# Altium PCB K210_Board.PcbDoc (part 1 of 2)
Units mm, origin at the board's own origin, x right, y up, seen from the top; angles counter-clockwise.
Board outline 47.14 x 33.2 mm, 4 copper layers (Top Layer, GND, PWR, Bottom Layer), stack 1.369 mm thick; 95 components, 107 nets, 519 pads, 220 vias.
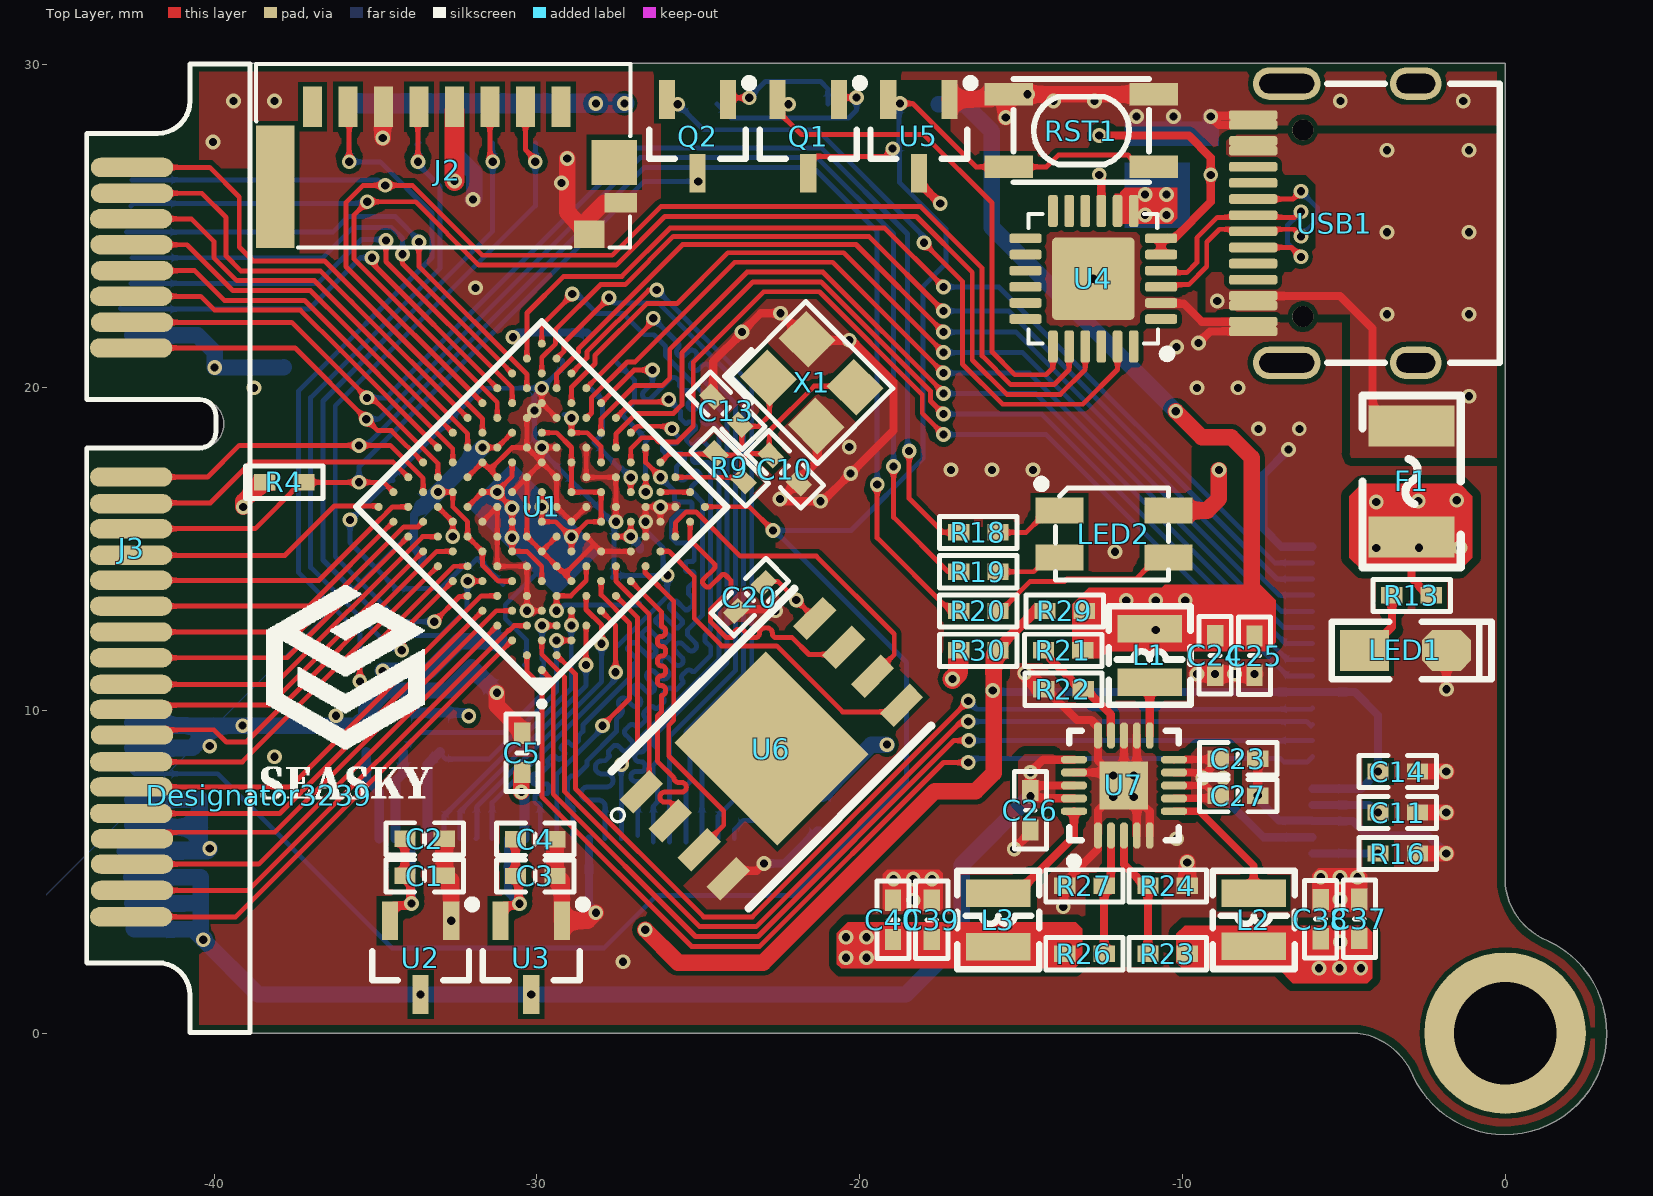
[diagram p0: Top Layer view]
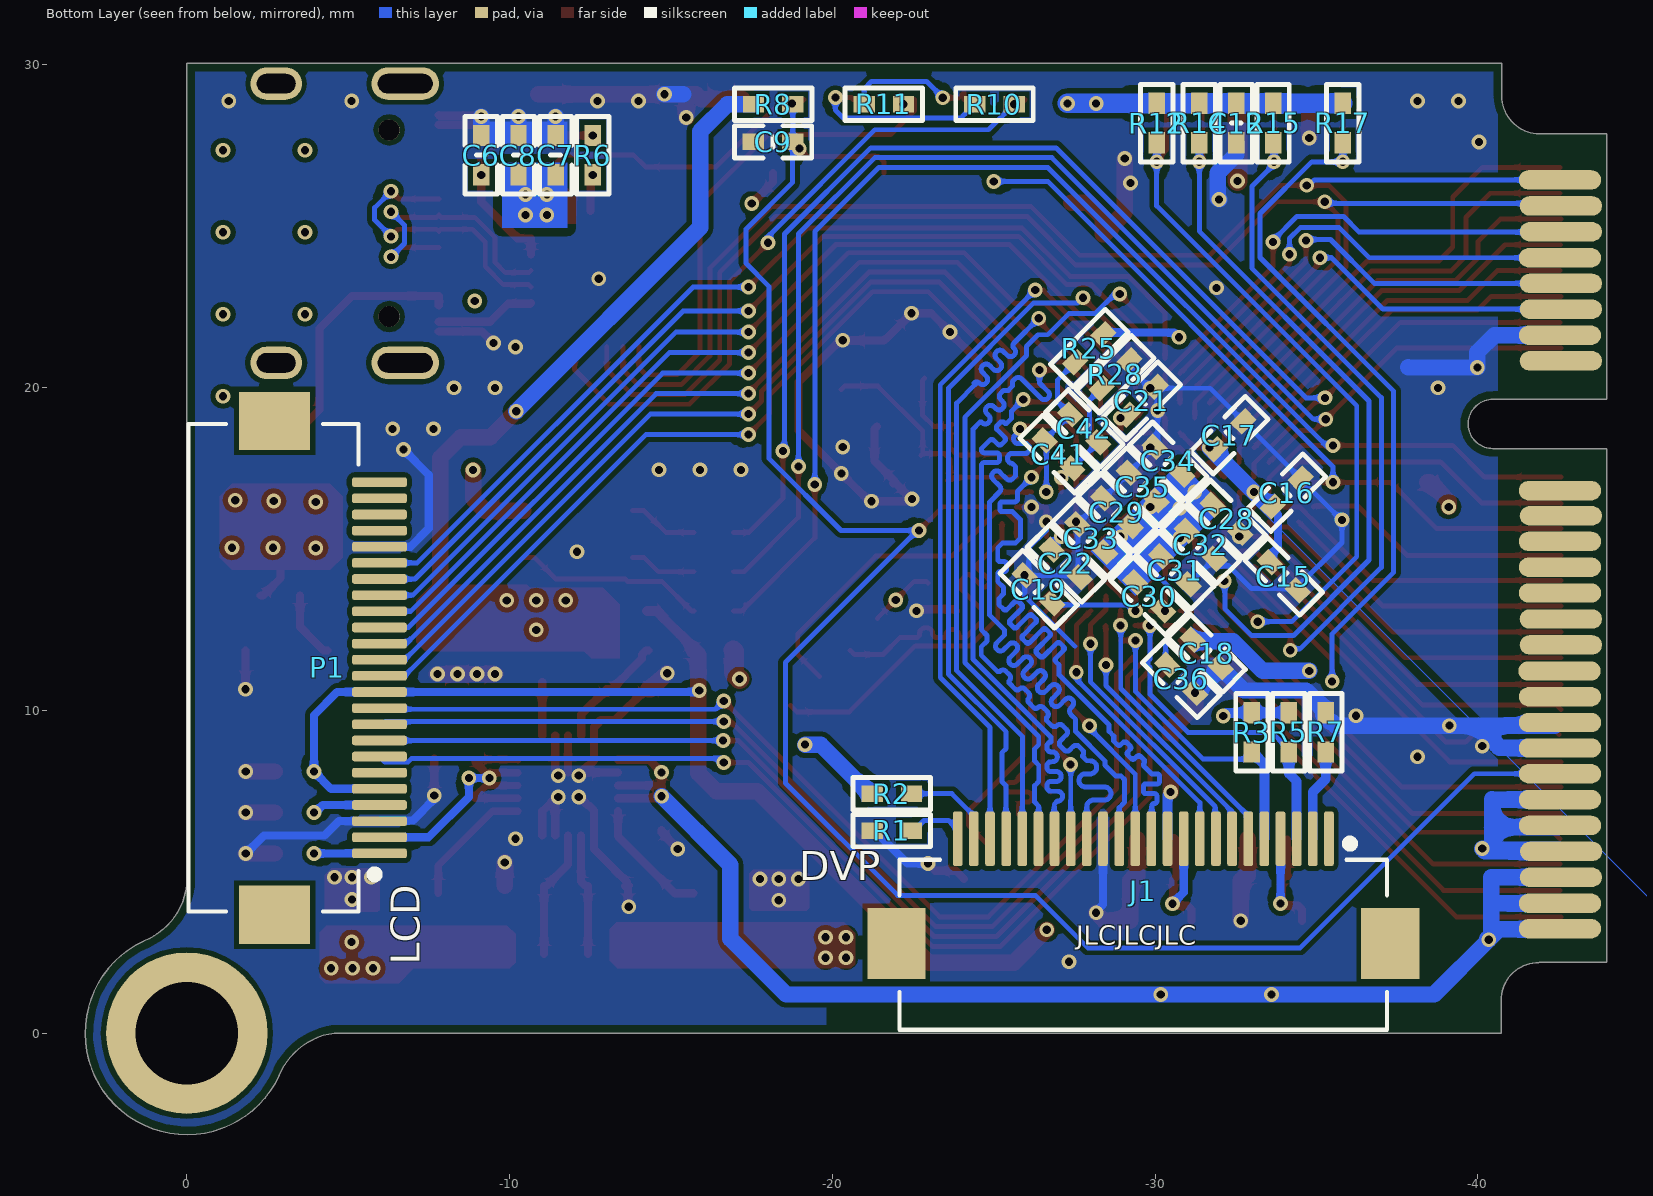
[diagram p1: Bottom Layer view, seen from below]
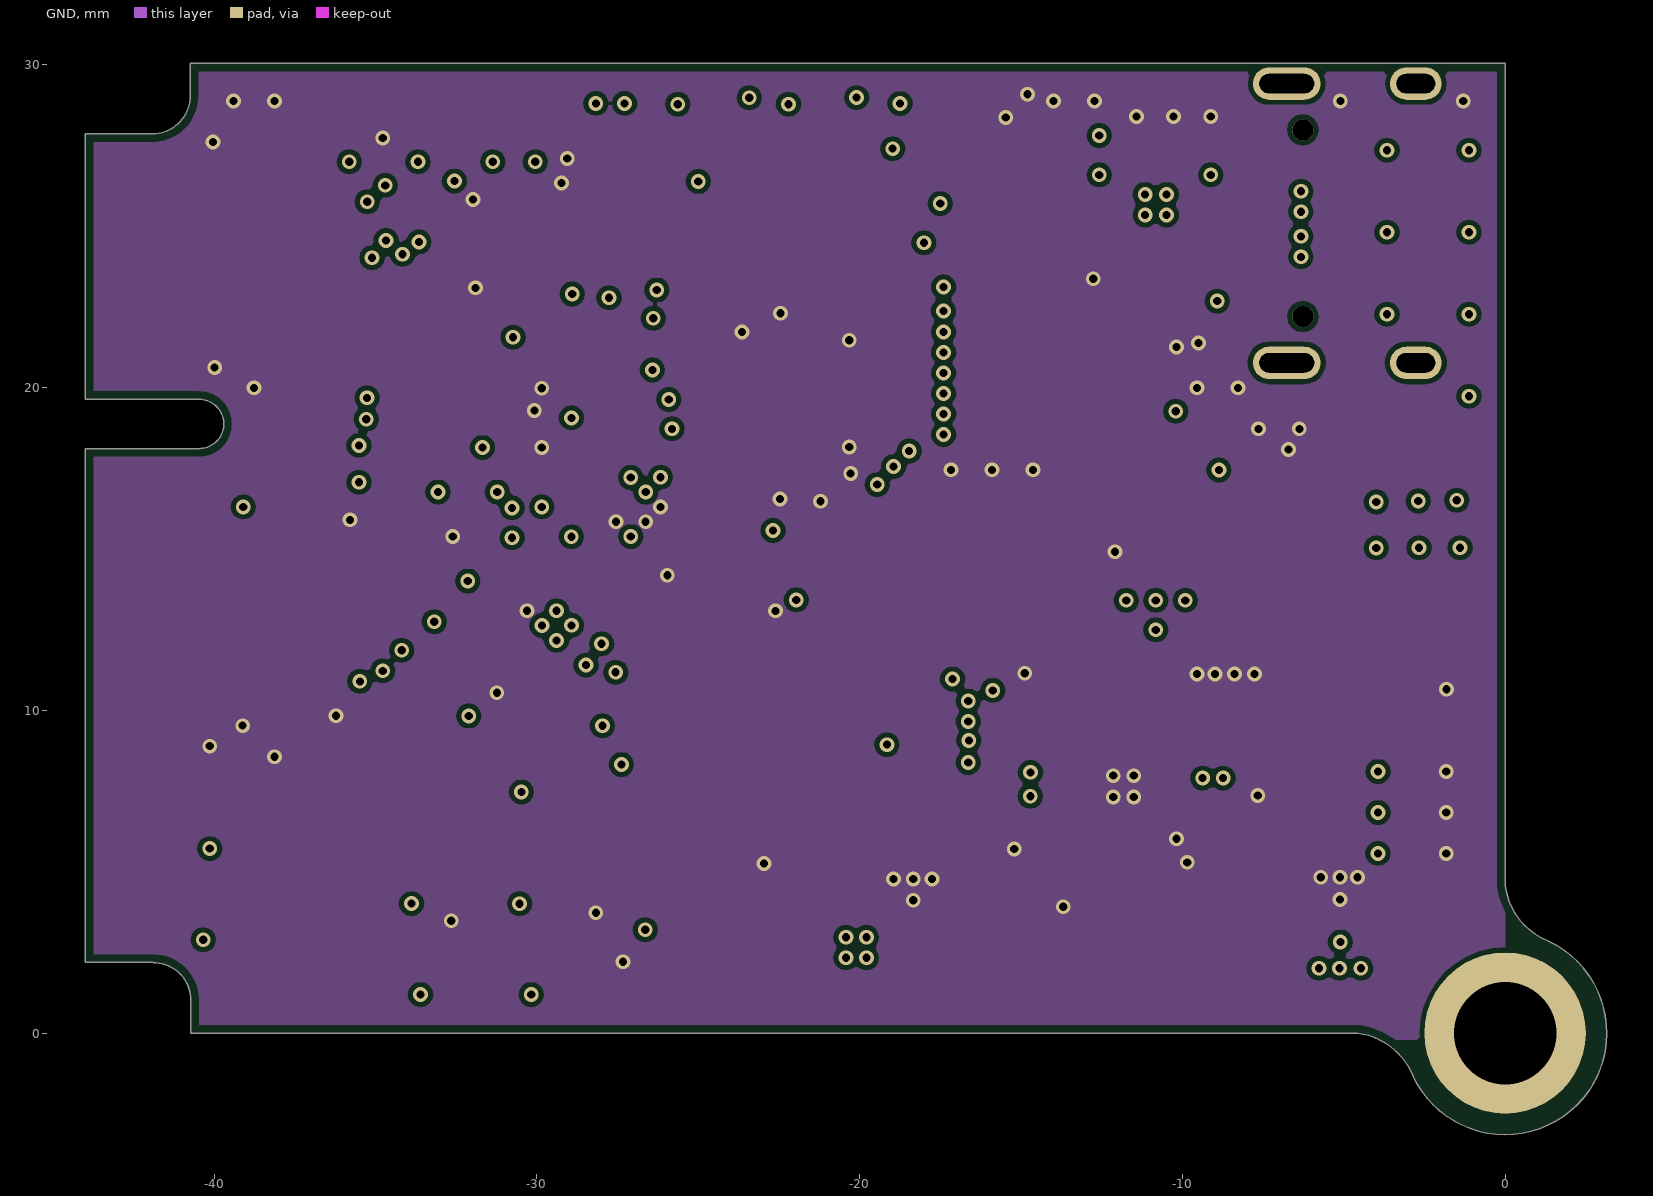
[diagram p2: GND]
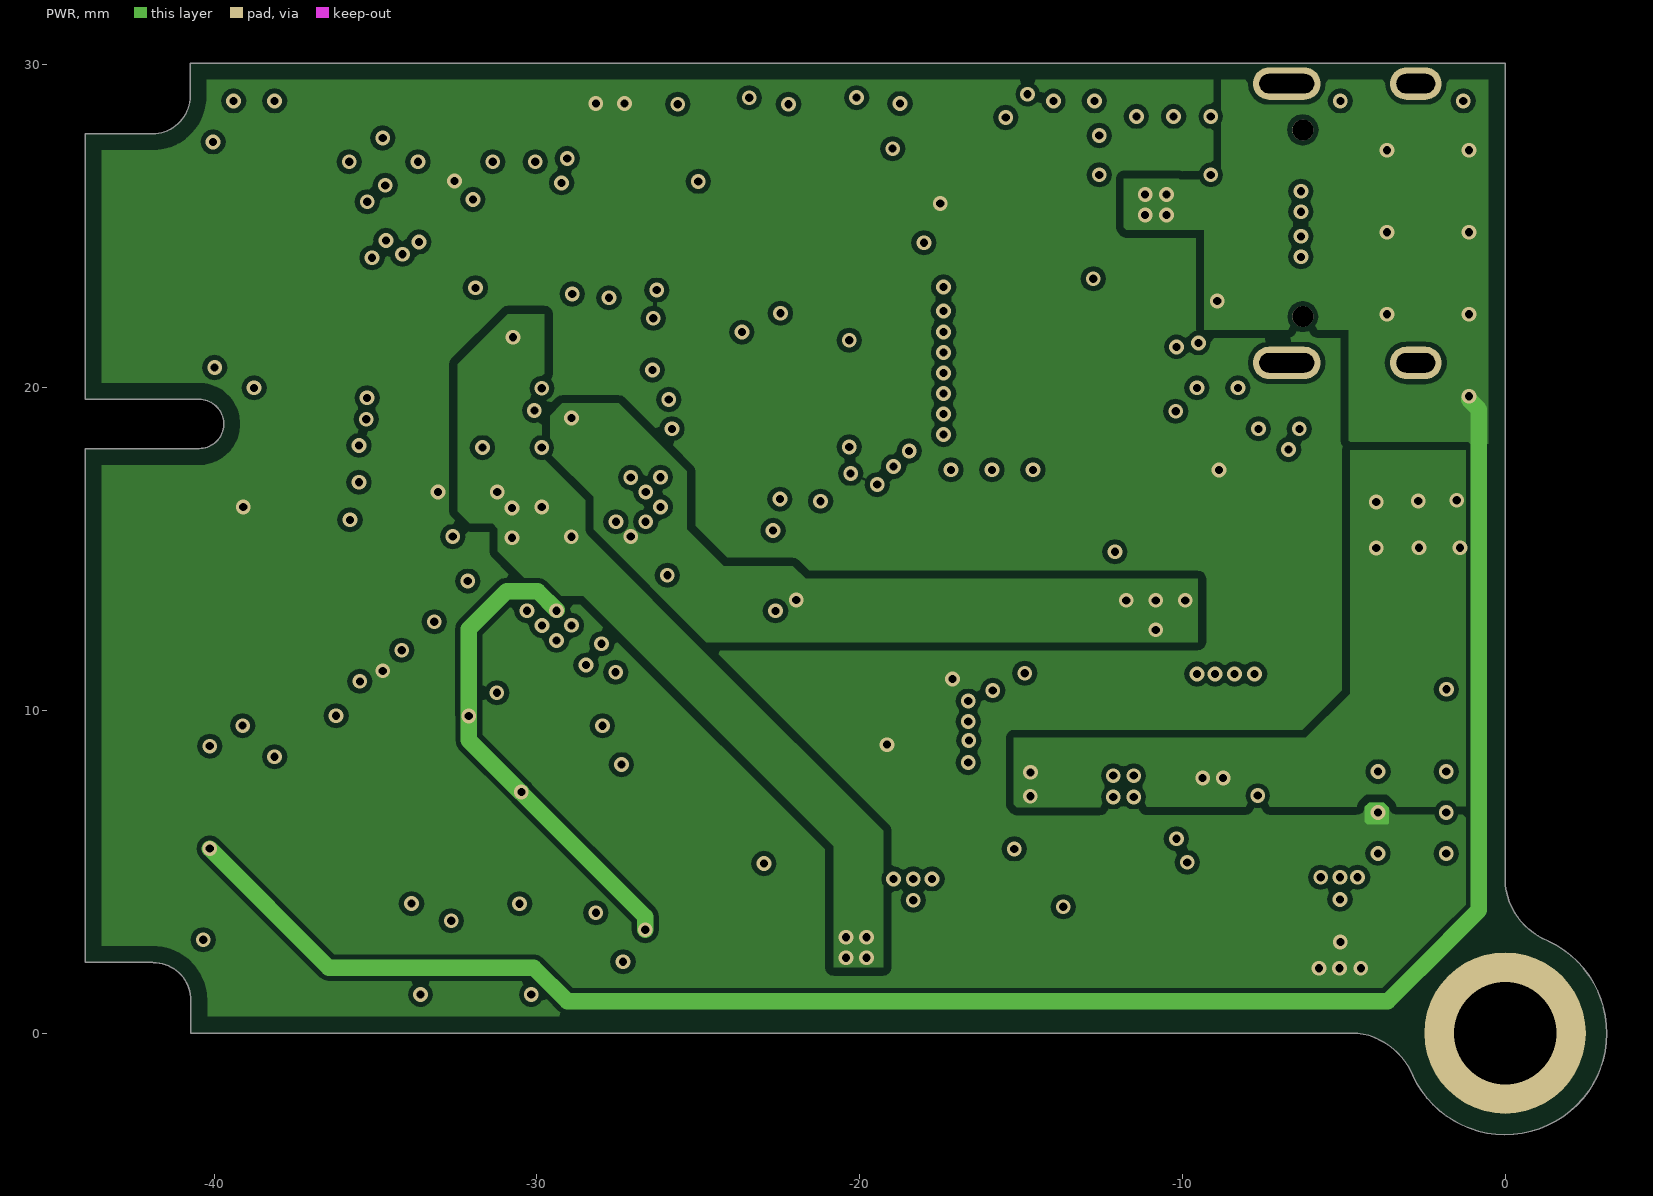
[diagram p3: PWR]
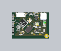
[diagram p5: 3D render of the assembled board from above, using the file's embedded part models]
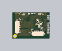
[diagram p6: 3D render of the assembled board from below, using the file's embedded part models]

## Layer stack, top to bottom
Top Solder: solder mask 0.0254, SM-001, Dk 4
Top Layer: signal copper 0.035
Dielectric 1: prepreg 0.1295, PP-017, Dk 4.3
Dielectric 2: prepreg 0.1295, PP-017, Dk 4.3
GND: signal copper 0.035
Dielectric 3: core 0.7112, Core-039, Dk 4.8
PWR: signal copper 0.035
Dielectric 4: prepreg 0.1295, PP-017, Dk 4.3
Dielectric 5: prepreg 0.1295, PP-017, Dk 4.3
Bottom Layer: signal copper 0.035
Bottom Solder: solder mask 0.0254, SM-001, Dk 4

## Board outline
-43.993,2.19 -41.91,2.19 -41.885,2.184 cw(c-41.885,1.016) -40.716,1.016 -40.716,0 -4.572,0 cw(c-4.851,-2.134) -2.852,-1.339 -2.86,-1.318 ccw(c0,0) 1.347,2.847 1.339,2.852 cw(c2.134,4.851) 0,4.572 0,30.048 -40.742,30.048 -40.742,29.032 cw(c-41.91,29.032) -41.91,27.864 -43.993,27.864 -43.993,19.634 -40.462,19.634 cw(c-40.462,18.872) -40.462,18.11 -43.993,18.11

## Design rules (kind name [scope] priority, off if disabled: settings)
BoardOutlineClearance pow [OnLayer('PWR')] p1: gap=0.508 ignorepadtopadclearanceinfootprint=FALSE except(0: Arc-SplitContinuation Track-SplitContinuation SMDPad-SplitContinuation THPad-SplitContinuation Via-SplitContinuation Fill-SplitContinuation Poly-SplitContinuation Region-SplitContinuation Text-SplitContinuation)
BoardOutlineClearance [All] p2: gap=0.254 ignorepadtopadclearanceinfootprint=FALSE except(0: Arc-SplitContinuation Track-SplitContinuation SMDPad-SplitContinuation THPad-SplitContinuation Via-SplitContinuation Fill-SplitContinuation Poly-SplitContinuation Region-SplitContinuation Text-SplitContinuation)
Clearance K210BGA [U1 vs InNet('No Net')] p1: gap=0.102 ignorepadtopadclearanceinfootprint=TRUE except(0: Arc-Hole Track-Hole SMDPad-Hole THPad-Hole Via-Hole Fill-Hole Poly-Hole Region-Hole Text-Hole)
Clearance ALL [All] p2: gap=0.102 ignorepadtopadclearanceinfootprint=TRUE except(0.152: Arc-Fill Arc-Poly Arc-Region Track-Fill Track-Poly Track-Region SMDPad-Fill SMDPad-Poly SMDPad-Region THPad-Fill THPad-Poly THPad-Region Via-Fill Via-Poly Via-Region; 0.254: Fill-Fill Fill-Poly Fill-Region Poly-Poly Poly-Region Region-Region)
DiffPairsRouting USBDiffPairsRouting [InDifferentialPair ('USB')] p1: maxlimit=0.254 minlimit=0.152 mostfreqgap=0.152 toplayer_minwidth=0.152 toplayer_maxwidth=0.381 toplayer_prefwidth=0.152 midlayer1_minwidth=0.152 midlayer1_maxwidth=0.381 midlayer1_prefwidth=0.152 midlayer2_minwidth=0.152 midlayer2_maxwidth=0.381 midlayer2_prefwidth=0.152 bottomlayer_minwidth=0.152 bottomlayer_maxwidth=0.381 bottomlayer_prefwidth=0.152 maxuncoupledlength=12.7
DiffPairsRouting [All] p2: maxlimit=0.254 minlimit=0.254 mostfreqgap=0.254 toplayer_minwidth=0.381 toplayer_maxwidth=0.381 toplayer_prefwidth=0.381 midlayer1_minwidth=0.381 midlayer1_maxwidth=0.381 midlayer1_prefwidth=0.381 midlayer2_minwidth=0.381 midlayer2_maxwidth=0.381 midlayer2_prefwidth=0.381 bottomlayer_minwidth=0.381 bottomlayer_maxwidth=0.381 bottomlayer_prefwidth=0.381 maxuncoupledlength=12.7
MatchedLengths USBMatchedLengths [InDifferentialPair ('USB')] p1: tolerance=0.127 checknetsindiffpair=FALSE checkdiffpairvsdiffpair=TRUE checkxsignals=TRUE checkothers=TRUE usedelayunits=FALSE
MatchedLengths FLASH [InNetClass('flash')] p2: tolerance=1.27 checknetsindiffpair=FALSE checkdiffpairvsdiffpair=TRUE checkxsignals=TRUE checkothers=TRUE usedelayunits=FALSE
PlaneConnect [All] p1: planeconnectstyle=Direct reliefexpansion=0.508 reliefentries=4 reliefconductorwidth=0.254 reliefairgap=0.254
PolygonConnect [All] p1: connectstyle=Direct reliefconductorwidth=0.254 reliefentries=4 polygonreliefangle="90 Angle" airgapwidth=0.254
RoutingVias [All] p1: holewidth=0.254 width=0.406 viastyle="Through Hole" minholewidth=0.203 minwidth=0.356 maxholewidth=0.305 maxwidth=0.61
SolderMaskExpansion [All] p1: expansion=0.102
Width [U1] p1: maxlimit=0.152 minlimit=0.152 preferedwidth=0.152
Width Width_1 [All] p2: maxlimit=5.08 minlimit=0.152 preferedwidth=0.152
28 further rules are at their usual default settings.

## Classes and differential pairs
net class FLASH: FLASH_IO0 FLASH_IO1 FLASH_IO2 FLASH_IO3
net class dvp: DVP_D0 DVP_D1 DVP_D2 DVP_D3 DVP_D4 DVP_D5 DVP_D6 DVP_D7
differential pair USB: +USB-PWR-DM -USB-PWR-DP

## Components (designator, comment, footprint, x,y, rotation, side; value= is the part's Value field where it differs from the comment)
C1 "10uF" "C 0402_M" -33.478,4.872 r180 top
C2 "0.1uF" "C 0402_M" -33.478,6.015 r180 top
C3 "10uF" "C 0402_M" -30.049,4.867 r180 top
C4 "0.1uF" "C 0402_M" -30.049,6.01 r180 top
C5 "10uF" "C 0402_M" -30.458,8.682 r90 top
C6 "10uF" "C 0402_M" -9.122,27.199 r90 bottom
C7 "10uF" "C 0402_M" -11.425,27.199 r270 bottom
C8 "10uF" "C 0402_M" -10.274,27.199 r270 bottom
C9 "0.1uF" "C 0402_M" -18.161,27.61 r0 bottom
C10 "12pF" "C 0402_M" -22.315,17.466 r315 top
C11 "0.1uF" "C 0402_M" -3.327,6.833 r0 top
C12 "0.1uF" "C 0402_M" -32.512,28.194 r270 bottom
C13 "12pF" "C 0402_M" -24.131,19.282 r135 top
C14 "0.1uF" "C 0402_M" -3.327,8.103 r180 top
C15 "0.1uF" "C 0402_M" -33.983,14.149 r45 bottom
C16 "0.1uF" "C 0402_M" -34.079,16.746 r315 bottom
C17 "0.1uF" "C 0402_M" -32.301,18.524 r315 bottom
C18 "4.7uF" "C 0402_M" -31.595,11.761 r45 bottom
C19 "0.1uF" "C 0402_M" -26.387,13.752 r225 bottom
C20 "0.1uF" "C 0402_M" -23.397,13.508 r45 top
C21 "0.1uF" "C 0402_M" -29.59,19.591 r135 bottom
C22 "0.1uF" "C 0402_M" -27.233,14.55 r225 bottom
C23 "10uF" "C 0402_M" -8.275,8.5 r0 top
C24 "10uF" "C 0402_M" -8.986,11.7 r90 top
C25 "0.1uF" "C 0402_M" -7.765,11.694 r90 top
C26 "10uF" "C 0402_M" -14.71,6.904 r270 top
C27 "10uF" "C 0402_M" -8.275,7.357 r0 top
C28 "0.1uF" "C 0402_M" -32.212,15.93 r225 bottom
C29 "0.1uF" "C 0402_M" -28.817,16.134 r45 bottom
C30 "0.1uF" "C 0402_M" -29.819,13.537 r225 bottom
C31 "0.1uF" "C 0402_M" -30.616,14.335 r225 bottom
C32 "0.1uF" "C 0402_M" -31.414,15.133 r225 bottom
C33 "0.1uF" "C 0402_M" -28.02,15.336 r45 bottom
C34 "0.1uF" "C 0402_M" -30.413,17.729 r45 bottom
C35 "0.1uF" "C 0402_M" -29.615,16.932 r45 bottom
C36 "4.7uF" "C 0402_M" -30.808,10.974 r225 bottom
C37 "10uF" "C 0402_M" -4.517,3.538 r270 top
C38 "0.1uF" "C 0402_M" -5.719,3.531 r270 top
C39 "10uF" "C 0402_M" -17.765,3.506 r270 top
C40 "0.1uF" "C 0402_M" -18.967,3.506 r270 top
C41 "0.1uF" "C 0402_M" -27.009,17.936 r225 bottom
C42 "4.7uF" "C 0402_M" -27.807,18.734 r225 bottom
Designator3239 "Comment" SEASKY3 -38.608,7.366 r0 top
F1 "MSMD200-8V 2A" "FU 1210" -2.899,17.089 r270 top
J1 "OV2640" FFC/SM0.5-2H24-OV5640 -29.634,4.395 r180 bottom
J2 "TF_Card" "TF-SOCKET - SHORT" -32.753,26.727 r270 top
J3 "MX_PCIE" MINIPCIE -42.541,26.82 r270 top
L1 "2.2uH" NR2520 -11.018,11.7 r90 top
L2 "2.2uH" NR2520 -7.791,3.509 r270 top
L3 "2.2uH" NR2520 -15.701,3.506 r270 top
LED1 "红色" "LED 0805G" -3.09,11.857 r0 top
LED2 "RGB-3528" "LED 3528-4PIN" -12.119,15.464 r0 top
P1 "JLT24100B" FFC/SM0.5-2H24-LCD -4.343,11.317 r270 bottom
Q1 "SS8050" SOT23-3N -21.594,27.783 r180 top
Q2 "SS8050" SOT23-3N -25.023,27.783 r180 top
R1 "0R" "R 0402_M" -21.844,6.274 r0 bottom
R2 "0R" "R 0402_M" -21.844,7.417 r0 bottom
R3 "2K" "R 0402_M" -32.998,9.317 r90 bottom
R4 "100K" "R 0402_M" -37.824,17.064 r180 top
R5 "2K" "R 0402_M" -34.141,9.317 r90 bottom
R6 "10K" "R 0402_M" -12.577,27.199 r90 bottom
R7 "0R" "R 0402_M" -35.284,9.317 r270 bottom
R8 "10K" "R 0402_M" -18.165,28.78 r0 bottom
R9 "1M" "R 0402_M" -24.027,17.528 r315 top
R10 "10K" "R 0402_M" -25.023,28.78 r0 bottom
R11 "10K" "R 0402_M" -21.594,28.78 r0 bottom
R12 "10K" "R 0402_M" -30.048,28.194 r270 bottom
R13 "10K" "R 0402_M" -2.899,13.559 r180 top
R14 "10K" "R 0402_M" -31.369,28.194 r270 bottom
R15 "10K" "R 0402_M" -33.655,28.194 r270 bottom
R16 "100R" "R 0402_M" -3.327,5.563 r0 top
R17 "10K" "R 0402_M" -35.814,28.194 r270 bottom
R18 "4.7K" "R 0402_M" -16.32,15.511 r180 top
R19 "4.7K" "R 0402_M" -16.32,14.292 r180 top
R20 "4.7K" "R 0402_M" -16.32,13.077 r180 top
R21 "200K" "R 0402_M" -13.694,11.857 r0 top
R22 "100K" "R 0402_M" -13.685,10.651 r180 top
R23 "453K" "R 0402_M" -10.458,2.46 r0 top
R24 "100K" "R 0402_M" -10.458,4.559 r0 top
R25 "0R-CBW100505U601T" "R 0402_M" -27.962,21.22 r135 bottom
R26 "68K" "R 0402_M" -13.034,2.457 r180 top
R27 "100K" "R 0402_M" -13.034,4.559 r180 top
R28 "0R-CBW100505U601T" "R 0402_M" -28.77,20.412 r135 bottom
R29 "0R" "R 0402_M" -13.649,13.077 r0 top
R30 "0R" "R 0402_M" -16.32,11.857 r0 top
RST1 "RES" SMD-3.2*4.2 -13.135,27.961 r0 top
U1 "K210" BGA144C65P12X12_800X800X95 -29.847,16.302 r135 top
U2 "XC6206-3.3" SOT23-3N -33.604,2.337 r180 top
U3 "XC6206-3.3" SOT23-3N -30.175,2.337 r180 top
U4 "CP2104" QFN-24_L4.0-W4.0-P0.50-BL-EP2.8 -12.76,23.371 r90 top
U5 "SGM803" SOT23-3N -18.165,27.783 r180 top
U6 "GD25LQ128" WSON-8_L8.0-W6.10-P1.27-BL-EP -22.732,8.815 r315 top
U7 "EA3036" QFN20_40P300X300X80_HS-21N -11.811,7.671 r90 top
USB1 "USB_Type-C" TYPE-C-TOP -5.287,25.09 r0 top
X1 "26M" "OSC 3225-4P" -21.484,20.152 r315 top

## Footprints (in the part's own frame and the unit in brackets; to place one, negate y for a bottom-side part, rotate by r counter-clockwise, add the part's x,y. Pads: shape width x height; smd on the part's side, far side on the other; paste and mask are expansions set on the pad)
BGA144C65P12X12_800X800X95 [mm] "BGA, 144-Leads, Body 8.00x8.00mmx0.95mm, Pitch 0.65mm"
  round 0.25 smd mask+0.051: A1(-3.575,3.575) A2(-2.925,3.575) A3(-2.275,3.575) A4(-1.625,3.575) A5(-0.975,3.575) A6(-0.325,3.575) A7(0.325,3.575) A8(0.975,3.575) A9(1.625,3.575) A10(2.275,3.575) A11(2.925,3.575) A12(3.575,3.575) B1(-3.575,2.925) B2(-2.925,2.925) B3(-2.275,2.925) B4(-1.625,2.925) B5(-0.975,2.925) B6(-0.325,2.925) B7(0.325,2.925) B8(0.975,2.925) B9(1.625,2.925) B10(2.275,2.925) B11(2.925,2.925) B12(3.575,2.925) C1(-3.575,2.275) C2(-2.925,2.275) C3(-2.275,2.275) C4(-1.625,2.275) C5(-0.975,2.275) C6(-0.325,2.275) C7(0.325,2.275) C8(0.975,2.275) C9(1.625,2.275) C10(2.275,2.275) C11(2.925,2.275) C12(3.575,2.275) D1(-3.575,1.625) D2(-2.925,1.625) D3(-2.275,1.625) D4(-1.625,1.625) D5(-0.975,1.625) D6(-0.325,1.625) D7(0.325,1.625) D8(0.975,1.625) D9(1.625,1.625) D10(2.275,1.625) D11(2.925,1.625) D12(3.575,1.625) E1(-3.575,0.975) E2(-2.925,0.975) E3(-2.275,0.975) E4(-1.625,0.975) E5(-0.975,0.975) E6(-0.325,0.975) E7(0.325,0.975) E8(0.975,0.975) E9(1.625,0.975) E10(2.275,0.975) E11(2.925,0.975) E12(3.575,0.975) F1(-3.575,0.325) F2(-2.925,0.325) F3(-2.275,0.325) F4(-1.625,0.325) F5(-0.975,0.325) F6(-0.325,0.325) F7(0.325,0.325) F8(0.975,0.325) F9(1.625,0.325) F10(2.275,0.325) F11(2.925,0.325) F12(3.575,0.325) G1(-3.575,-0.325) G2(-2.925,-0.325) G3(-2.275,-0.325) G4(-1.625,-0.325) G5(-0.975,-0.325) G6(-0.325,-0.325) G7(0.325,-0.325) G8(0.975,-0.325) G9(1.625,-0.325) G10(2.275,-0.325) G11(2.925,-0.325) G12(3.575,-0.325) H1(-3.575,-0.975) H2(-2.925,-0.975) H3(-2.275,-0.975) H4(-1.625,-0.975) H5(-0.975,-0.975) H6(-0.325,-0.975) H7(0.325,-0.975) H8(0.975,-0.975) H9(1.625,-0.975) H10(2.275,-0.975) H11(2.925,-0.975) H12(3.575,-0.975) J1(-3.575,-1.625) J2(-2.925,-1.625) J3(-2.275,-1.625) J4(-1.625,-1.625) J5(-0.975,-1.625) J6(-0.325,-1.625) J7(0.325,-1.625) J8(0.975,-1.625) J9(1.625,-1.625) J10(2.275,-1.625) J11(2.925,-1.625) J12(3.575,-1.625) K1(-3.575,-2.275) K2(-2.925,-2.275) K3(-2.275,-2.275) K4(-1.625,-2.275) K5(-0.975,-2.275) K6(-0.325,-2.275) K7(0.325,-2.275) K8(0.975,-2.275) K9(1.625,-2.275) K10(2.275,-2.275) K11(2.925,-2.275) K12(3.575,-2.275) L1(-3.575,-2.925) L2(-2.925,-2.925) L3(-2.275,-2.925) L4(-1.625,-2.925) L5(-0.975,-2.925) L6(-0.325,-2.925) L7(0.325,-2.925) L8(0.975,-2.925) L9(1.625,-2.925) L10(2.275,-2.925) L11(2.925,-2.925) L12(3.575,-2.925) M1(-3.575,-3.575) M2(-2.925,-3.575) M3(-2.275,-3.575) M4(-1.625,-3.575) M5(-0.975,-3.575) M6(-0.325,-3.575) M7(0.325,-3.575) M8(0.975,-3.575) M9(1.625,-3.575) M10(2.275,-3.575) M11(2.925,-3.575) M12(3.575,-3.575)
  silkscreen extent -4.39,-4.06 4.06,4.39, body extent -4,-4 4,4, height 0.95
"C 0402_M" [mil] "无极性贴片电容                                  淘宝ID:黄晶宝石"
  rect 26x20 smd: 1(-24,0) 2(24,0)
  silkscreen extent -47,-20 47,20, body extent -20,-10 20,10, height 21
FFC/SM0.5-2H24-LCD [mm] "Connector; FH12 Series; 24 Position; 0.5mm Spaced Bottom Contact"
  rrect50% 0.3x1.7 smd: 1(5.75,1.625) 2(5.25,1.625) 3(4.75,1.625) 4(4.25,1.625) 5(3.75,1.625) 6(3.25,1.625) 7(2.75,1.625) 8(2.25,1.625) 9(1.75,1.625) 10(1.25,1.625) 11(0.75,1.625) 12(0.25,1.625) 13(-0.25,1.625) 14(-0.75,1.625) 15(-1.25,1.625) 16(-1.75,1.625) 17(-2.25,1.625) 18(-2.75,1.625) 19(-3.25,1.625) 20(-3.75,1.625) 21(-4.25,1.625) 22(-4.75,1.625) 23(-5.25,1.625) 24(-5.75,1.625)
  rect 1.8x2.2 smd: P0(-7.65,-1.625) P0(7.65,-1.625)
  silkscreen extent -7.55,-4.29 7.55,1.6, body extent -8.05,-4.29 8.05,2.11, height 2.04
FFC/SM0.5-2H24-OV5640 [mm] "Connector; FH12 Series; 24 Position; 0.5mm Spaced Bottom Contact"
  rrect50% 0.3x1.7 smd: 1(5.75,1.625) 2(5.25,1.625) 3(4.75,1.625) 4(4.25,1.625) 5(3.75,1.625) 6(3.25,1.625) 7(2.75,1.625) 8(2.25,1.625) 9(1.75,1.625) 10(1.25,1.625) 11(0.75,1.625) 12(0.25,1.625) 13(-0.25,1.625) 14(-0.75,1.625) 15(-1.25,1.625) 16(-1.75,1.625) 17(-2.25,1.625) 18(-2.75,1.625) 19(-3.25,1.625) 20(-3.75,1.625) 21(-4.25,1.625) 22(-4.75,1.625) 23(-5.25,1.625) 24(-5.75,1.625)
  rect 1.8x2.2 smd: P0(-7.65,-1.625) P0(7.65,-1.625)
  silkscreen extent -7.55,-4.29 7.55,1.6, body extent -8.05,-4.29 8.05,2.11, height 2.04
"FU 1210" [mil] "贴片保险丝        淘宝ID:黄晶宝石"
  rect 50x105 smd: 1(-67.5,0) 2(67.5,0)
  silkscreen extent -105,-60 105,60, body extent -63,-50 63,50, height 34
"LED 0805G" [mil] "绿色0805LED                              淘宝ID:黄晶宝石"
  rect 60x50 smd: 1(-50,0)
  oct 60x50 smd: 2(50,0)
  silkscreen extent -90,-35 105,35, body extent -39,-25 39,25, height 26
"LED 3528-4PIN" [mm] "4脚，3528LED                             淘宝ID:黄晶宝石"
  rect 1.5x0.8 smd: 1(-1.689,0.725) 2(-1.689,-0.725) 3(1.689,-0.725) 4(1.689,0.725)
  silkscreen extent -2.37,-1.42 1.69,1.68, body extent -1.88,-1.4 1.62,1.4, height 1.95